# Altium PCB ESP32_board_PCB.PcbDoc (part 1 of 2) (continued)
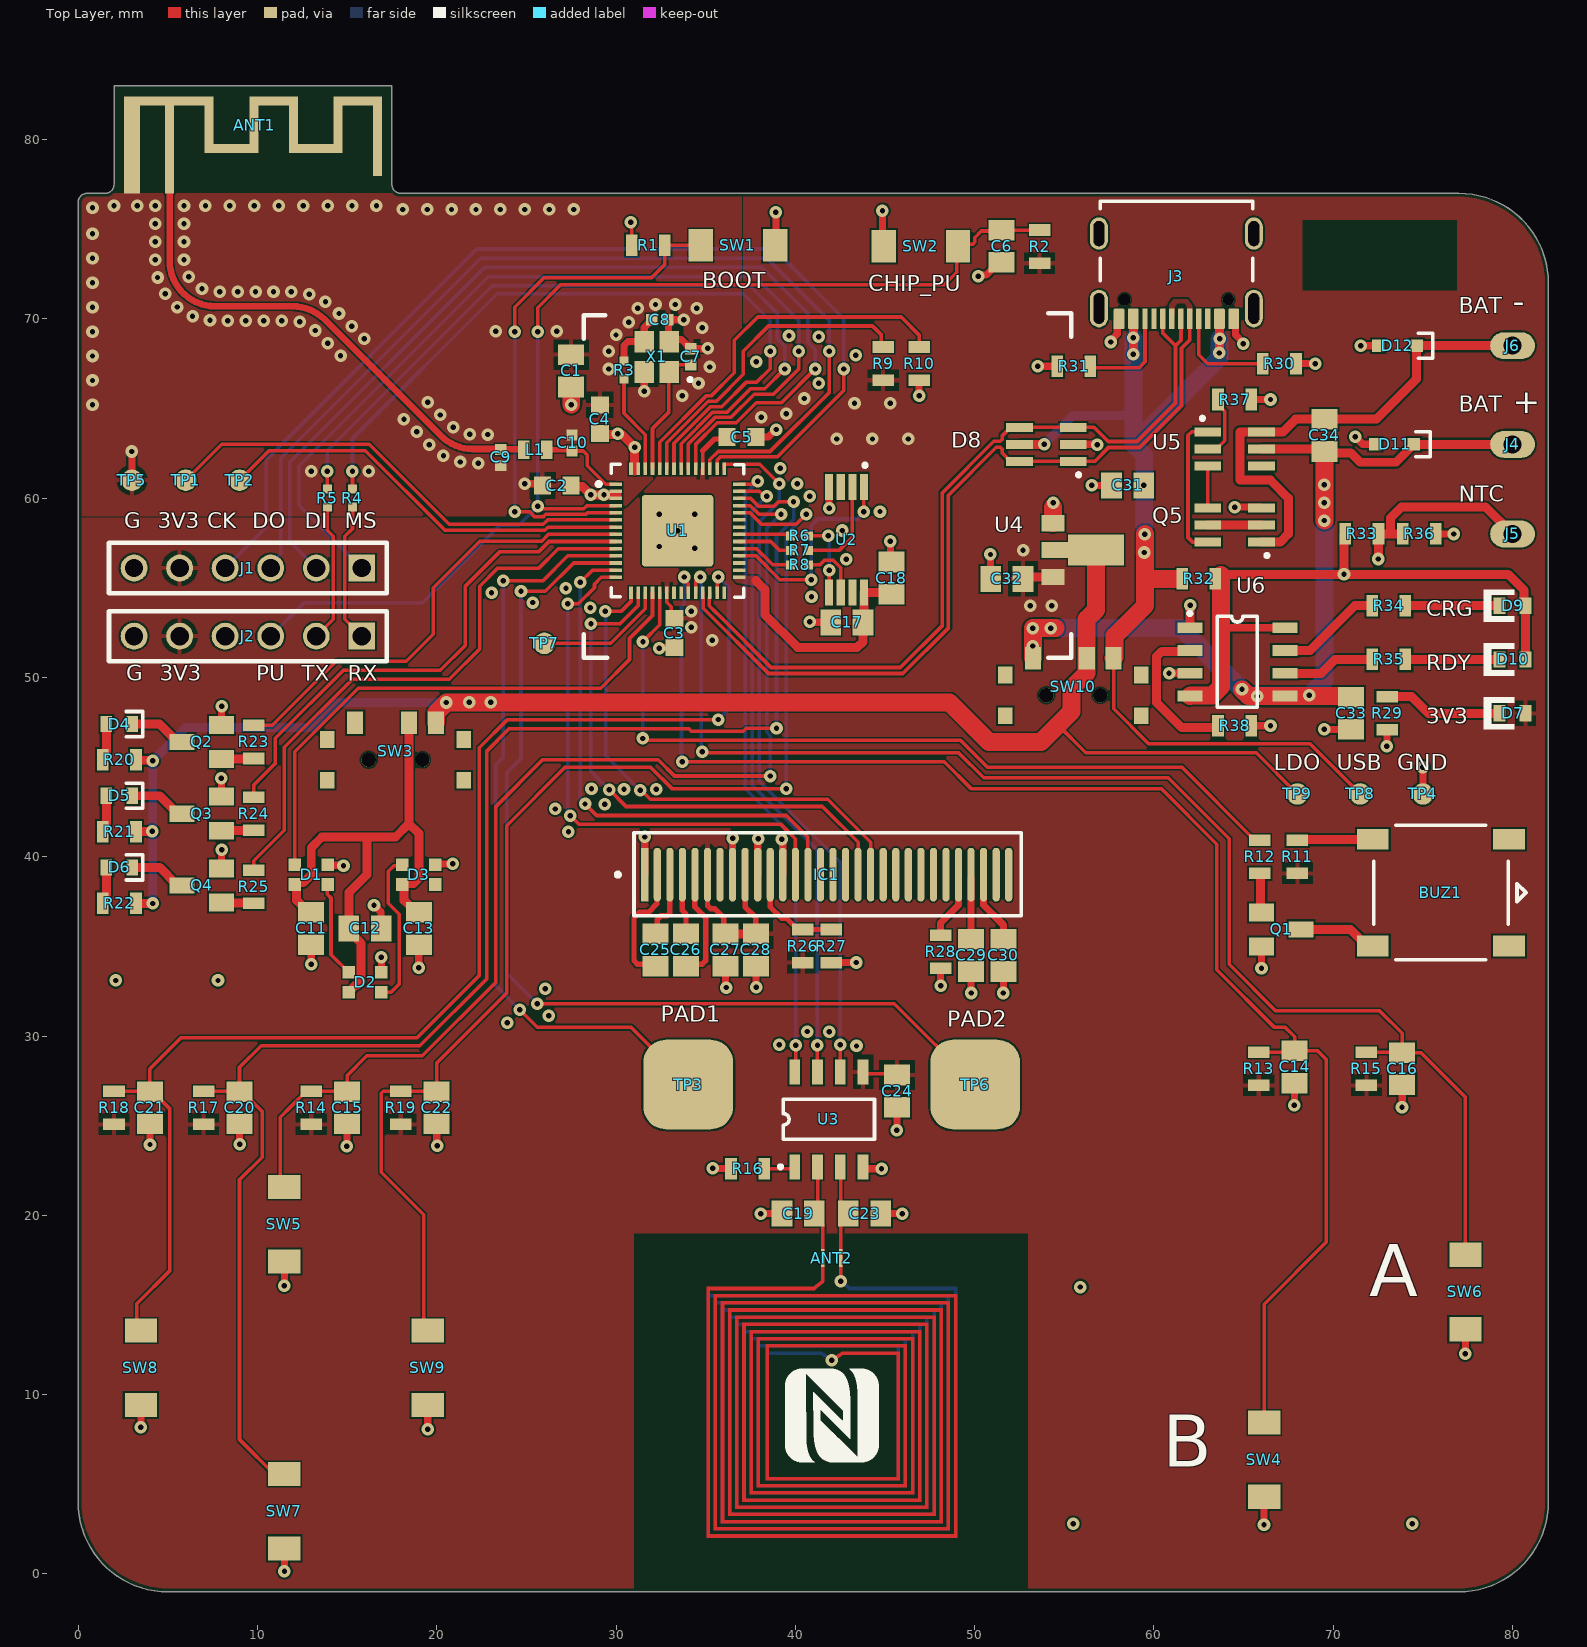
[diagram p0: Top Layer view]
## Design rules (kind name [scope] priority, off if disabled: settings)
BoardOutlineClearance [All] p1: gap=0.2 ignorepadtopadclearanceinfootprint=FALSE
Clearance Clearance_1 [InPolygon vs InDifferentialPairClass('All Differential Pairs')] p1: gap=0.127 ignorepadtopadclearanceinfootprint=FALSE
Clearance [All] p2: gap=0.1 ignorepadtopadclearanceinfootprint=FALSE
ComponentClearance ComponentClearance_1 [InComponent('IC1')] p1: gap=0 collisioncheckmode=3 verticalgap=0 showdistances=FALSE
ComponentClearance [All] p2: gap=0.254 collisioncheckmode=3 verticalgap=0.254 showdistances=FALSE
DiffPairsRouting [InDifferentialPair('USB')] p1: maxlimit=0.127 minlimit=0.127 mostfreqgap=0.127 toplayer_minwidth=0.208 toplayer_maxwidth=0.208 toplayer_prefwidth=0.208 midlayer1_minwidth=0.13 midlayer1_maxwidth=0.13 midlayer1_prefwidth=0.13 midlayer2_minwidth=0.13 midlayer2_maxwidth=0.13 midlayer2_prefwidth=0.13 bottomlayer_minwidth=0.208 bottomlayer_maxwidth=0.208 bottomlayer_prefwidth=0.208 impedanceprofiledriven=TRUE impedanceprofileid={504F0A0C-3538-4502-AA88-B7FB649C1DBE} impedanceprofilevalue=90.000000 maxuncoupledlength=12.7
MinimumSolderMaskSliver [All] p1: minsoldermaskwidth=0.1
PasteMaskExpansion [All] p1: expansion=-2539.975 usepaste=FALSE
PolygonConnect [All] p1: thpad.connectstyle=Relief thpad.reliefconductorwidth=0.254 thpad.reliefentries=4 thpad.polygonreliefangle="90 Angle" thpad.airgapwidth=0.254 smdpad.connectstyle=Relief smdpad.reliefconductorwidth=0.254 smdpad.reliefentries=4 smdpad.polygonreliefangle="90 Angle" smdpad.airgapwidth=0.254 via.connectstyle=Direct via.reliefconductorwidth=0.254 via.reliefentries=4 via.polygonreliefangle="90 Angle" via.airgapwidth=0.254
RoutingVias [All] p1: holewidth=0.3 width=0.7 viastyle="Through Hole" minholewidth=0.3 minwidth=0.7 maxholewidth=1 maxwidth=2
ShortCircuit antenna_sc [InNet('ant_feed')] p1: allowed=TRUE
ShortCircuit [All] p2: allowed=FALSE
SilkToSilkClearance [All] p1: silktosilkclearance=0
SilkToSolderMaskClearance [IsPad] p1: minsilkscreentomaskgap=0.1 clearancetoexposedcopper=TRUE
SolderMaskExpansion [All] p1: expansion=0.05 istentingtop=FALSE
Width "50 ohms" [InNet('ant_feed')] p1: maxlimit=0.369 minlimit=0.271 preferedwidth=0.369 toplayer_minwidth=0.369 midlayer1_maxwidth=0.271 midlayer1_prefwidth=0.271 midlayer2_maxwidth=0.271 midlayer2_prefwidth=0.271 bottomlayer_minwidth=0.369 minimp=50.000000 maximp=50.000000 favimp=50.000000
Width [All] p2: maxlimit=1 minlimit=0.1 preferedwidth=0.2
23 further rules are at their usual default settings.

## Classes and differential pairs
component class "U_USB and power": C31 C32 C33 C34 D7 D8 D9 D10 D11 D12 J3 J4 J5 J6 Q5 R29 R30 R31 R32 R33 R34 R35 R36 R37 R38 SW10 TP8 TP9 U4 U5 U6
component class U_display: C25 C26 C27 C28 C29 C30 IC1 R26 R27 R28
component class MCU: ANT1 ANT2 BUZ1 C1 C2 C3 C4 C5 C6 C7 C8 C9 C10 C11 C12 C13 C14 C15 C16 C17 C18 C19 C20 C21 C22 C23 C24 D1 D2 D3 D4 D5 D6 J1 J2 L1 Q1 Q2 Q3 Q4 R1 R2 R3 R4 R5 R6 R7 R8 R9 R10 R11 R12 R13 R14 R15 R16 R17 R18 R19 R20 R21 R22 R23 R24 R25 SW1 SW2 SW3 SW4 SW5 SW6 SW7 SW8 SW9 TP1 TP2 TP3 TP4 TP5 TP6 TP7 U1 U2 U3 X1
differential pair USB: +USB_P -USB_N

## Components (designator, comment, footprint, x,y, rotation, side; value= is the part's Value field where it differs from the comment)
ANT1 "PCB Antenna 2.4GHz 50Ohm" ANT_IFA_USB_2_4GHZ_50R 3,77 r0 top
ANT2 "ANT_NFC_14mm_5uH" ANT_NFC_14mm_5uH 42.038,9.018 r90 top
BUZ1 "BUZZER" BUZ_MLT-7525 76,38 r0 top
C1 "10uF" CAP_0805_NOM 27.5,67.1 r270 top
C2 "100nF" CAP_0603_NOM 26.7,60.7 r0 top
C3 "100nF" CAP_0603_NOM 33.25,52.475 r90 top
C4 "100nF" CAP_0603_NOM 29.1,64.4 r270 top
C5 "100nF" CAP_0603_NOM 37,63.4 r180 top
C6 "100nF" CAP_0805_NOM 51.5,74.05 r90 top
C7 "10pF_C0G" CAP_0402_NOM 34.169,67.884 r90 top
C8 "10pF_C0G" CAP_0402_NOM 32.444,69.949 r180 top
C9 "3p3_C0G" CAP_0402_NOM 23.567,62.266 r90 top
C10 "3p3_C0G" CAP_0402_NOM 27.552,63.079 r270 top
C11 "100nF" CAP_0805_NOM 13,36 r90 top
C12 "100nF" CAP_0805_NOM 16,36 r180 top
C13 "100nF" CAP_0805_NOM 19,36 r90 top
C14 "100nF" CAP_0805_NOM 67.846,28.276 r270 top
C15 "100nF" CAP_0805_NOM 15,26 r270 top
C16 "100nF" CAP_0805_NOM 73.846,28.176 r270 top
C17 "100nF" CAP_0805_NOM 42.875,53.075 r0 top
C18 "10uF" CAP_0805_NOM 45.362,55.536 r270 top
C19 "NF" CAP_0805_NOM 40.158,20.093 r180 top
C20 "100nF" CAP_0805_NOM 9,26 r270 top
C21 "100nF" CAP_0805_NOM 4,26 r270 top
C22 "100nF" CAP_0805_NOM 20,26 r270 top
C23 "NF" CAP_0805_NOM 43.858,20.093 r180 top
C24 "100nF" CAP_0805_NOM 45.671,26.924 r90 top
C25 "2.2uF" CAP_0805_NOM 32.2,34.8 r270 top
C26 "2.2uF" CAP_0805_NOM 33.9,34.8 r90 top
C27 "100nF" CAP_0805_NOM 36.1,34.8 r90 top
C28 "10uF" CAP_0805_NOM 37.8,34.8 r90 top
C29 "10uF" CAP_0805_NOM 49.8,34.5 r90 top
C30 "10uF" CAP_0805_NOM 51.6,34.5 r90 top
C31 "10uF" CAP_0805_NOM 58.53,60.712 r0 top
C32 "10uF" CAP_0805_NOM 51.8,55.5 r0 top
C33 "10uF" CAP_0805_NOM 71,48 r90 top
C34 "100nF" CAP_0805_NOM 69.5,63.5 r270 top
D1 "WS2812C" LED_RGB_WS2812C-2020 13,39 r180 top
D2 "WS2812C" LED_RGB_WS2812C-2020 16,33 r180 top
D3 "WS2812C" LED_RGB_WS2812C-2020 19,39 r180 top
D4 "LED_RED" LED_0603_RED 2.3,47.4 r0 top
D5 "LED_GREEN" LED_0603_GREEN 2.3,43.4 r0 top
D6 "LED_BLUE" LED_0603_BLUE 2.3,39.4 r0 top
D7 "LED_GREEN" LED_0603_GREEN 80,48 r180 top
D8 "D_ESD_USBC6" SOT23-6 54,63 r180 top
D9 "LED_RED" LED_0603_RED 80,54 r180 top
D10 "LED_GREEN" LED_0603_GREEN 80,51 r180 top
D11 "D_TVS_SD05CL" SOD-323 74.5,63 r180 top
D12 "D_TVS_SD05CL" SOD-323 74.65,68.5 r180 top
IC1 "SSD1306" SSD1306 31.6,39 r90 top
J1 "CON_PIN_HEADER_6P" CON_6P_header 15.82,56.1 r180 top
J2 "CON_PIN_HEADER_6P" CON_6P_header 15.82,52.3 r180 top
J3 "USB-TYPE-C-018" USB4105-GF-A-060 61.25,72.378 r180 top
J4 "BAT_TERM_POS" BAT_TERM 80,63 r90 top
J5 "BAT_NTC" BAT_TERM 80,58 r270 top
J6 "BAT_TERM_NEG" BAT_TERM 80,68.5 r270 top
L1 "2n2" IND_0603 25.505,62.696 r0 top
Q1 "BJT" SOT-23 66,35.95 r270 top
Q2 "BJT" SOT-23 8,46.4 r90 top
Q3 "BJT" SOT-23 8,42.4 r90 top
Q4 "BJT" SOT-23 8,38.4 r90 top
Q5 "FS8205A" SOT23-6 64.5,58.5 r180 top
R1 "10k" RES_0805_nom 31.8,74.1 r180 top
R2 "100k" RES_0805_nom 53.621,74.025 r270 top
R3 "22R" RES_0402_nom 30.444,67.135 r90 top
R4 "470R" RES_0402_nom 15.3,60 r270 top
R5 "470R" RES_0402_nom 13.9,60 r270 top
R6 "0R" RES_0402_nom 40.234,57.896 r0 top
R7 "0R" RES_0402_nom 40.234,57.082 r0 top
R8 "0R" RES_0402_nom 40.234,56.282 r0 top
R9 "10k" RES_0805_nom 44.9,67.5 r270 top
R10 "10k" RES_0805_nom 46.9,67.5 r270 top
R11 "36R" RES_0805_nom 68,40 r270 top
R12 "1k" RES_0805_nom 65.9,40 r270 top
R13 "10k" RES_0805_nom 65.846,28.176 r270 top
R14 "10k" RES_0805_nom 13,26 r270 top
R15 "10k" RES_0805_nom 71.846,28.176 r270 top
R16 "10k" RES_0805_nom 37.34,22.595 r0 top
R17 "10k" RES_0805_nom 7,26 r270 top
R18 "10k" RES_0805_nom 2,26 r270 top
R19 "10k" RES_0805_nom 18,26 r270 top
R20 "560R" RES_0805_nom 2.3,45.4 r0 top
R21 "470R" RES_0805_nom 2.3,41.4 r0 top
R22 "470R" RES_0805_nom 2.3,37.4 r0 top
R23 "10k" RES_0805_nom 9.8,46.4 r90 top
R24 "10k" RES_0805_nom 9.8,42.4 r90 top
R25 "10k" RES_0805_nom 9.8,38.325 r90 top
R26 "NF" RES_0805_nom 40.414,35.014 r270 top
R27 "10k" RES_0805_nom 42.014,35.014 r270 top
R28 "390k" RES_0805_nom 48.1,34.7 r90 top
R29 "220R" RES_0805_nom 73,48 r90 top
R30 "5.1k 5%" RES_0805_nom 67,67.5 r0 top
R31 "5.1k 5%" RES_0805_nom 55.527,67.351 r180 top
R32 "0R4" RES_0805_nom 62.5,55.5 r180 top
R33 "NF" RES_0805_nom 71.6,58 r180 top
R34 "1k" RES_0805_nom 73.1,54 r0 top
R35 "1k" RES_0805_nom 73.1,51 r0 top
R36 "NF" RES_0805_nom 74.8,58 r180 top
R37 "1k" RES_0805_nom 64.5,65.5 r180 top
R38 "39k" RES_0805_nom 64.5,47.3 r180 top
SW1 "SW" SW_SPST_TACT 36.8,74.1 r180 top
SW2 "SW" SW_SPST_TACT 47,74.05 r0 top
SW3 "SW_SLIDE_SPDT_MK-12C02-G025" SW_SLIDE_SPDT_MK-12C02-G025 19.2,45.4 r180 top
SW4 "SW" SW_SPST_TACT 66.146,6.376 r90 top
SW5 "SW" SW_SPST_TACT 11.5,19.5 r90 top
SW6 "SW" SW_SPST_TACT 77.371,15.726 r90 top
SW7 "SW" SW_SPST_TACT 11.5,3.5 r90 top
SW8 "SW" SW_SPST_TACT 3.5,11.5 r90 top
SW9 "SW" SW_SPST_TACT 19.5,11.5 r90 top
SW10 "SW_SLIDE_SPDT_MK-12C02-G025" SW_SLIDE_SPDT_MK-12C02-G025 57,49 r180 top
TP1 "TESTPOINT" testpoint 6,61 r90 top
TP2 "TESTPOINT" testpoint 9,61 r90 top
TP3 "PAD_5mm" PAD_5x5mm#1 34.029,27.294 r0 top net-tie
TP4 "TESTPOINT" testpoint 75,43.5 r90 top
TP5 "TESTPOINT" testpoint 3,61 r90 top
TP6 "PAD_5mm" PAD_5x5mm#2 50.029,27.294 r0 top net-tie
TP7 "TESTPOINT" testpoint 26,51.9 r90 top
TP8 "TESTPOINT" testpoint 71.5,43.5 r0 top
TP9 "TESTPOINT" testpoint 68,43.5 r90 top
U1 "ESP32-S3" STM32_S3 33.434,58.182 r0 top
U2 "4Mbit NOR Flash" TSSOP-8 43.834,60.632 r270 top
U3 "M24SR64-Y" SOP8 39.969,22.702 r90 top
U4 "LDO_3V3" SOT-89 55.2,57.1 r270 top
U5 "FM2113" SOT23-6 64.5,62.75 r0 top
U6 "TP4056" SOP8 62,52.77 r0 top
X1 "40MHz" SMD2520-4P 32.269,67.884 r90 top

## Footprints (in the part's own frame and the unit in brackets; to place one, negate y for a bottom-side part, rotate by r counter-clockwise, add the part's x,y. Pads: shape width x height; smd on the part's side, far side on the other; paste and mask are expansions set on the pad)
ANT_IFA_USB_2_4GHZ_50R [mm]
  rect 5x0.5 smd paste-2539.97 mask+0.102: 1(2.05,5.15)
  rect 0.5x4.9 smd paste-2539.97 mask+0.102: 1(2.1,2.45)
  rect 0.5x2.64 smd paste-2539.97 mask+0.102: 1(4.3,3.58) 1(6.8,3.58) 1(9,3.58) 1(11.5,3.58)
  rect 2x0.5 smd paste-2539.97 mask+0.102: 1(5.55,2.51) 1(10.25,2.51)
  rect 2.7x0.5 smd paste-2539.97 mask+0.102: 1(7.9,5.15) 1(12.6,5.15)
  rect 0.5x3.94 smd paste-2539.97 mask+0.102: 1(13.7,2.93)
  rect 0.9x4.9 smd paste-2539.97 mask+0.102: 2(0,2.45)
ANT_NFC_14mm_5uH [mm] "14x14mm NFC antenna / 18 turns - 2 layers / 0.2mm tracks 0.2mm spacing / ~5uH total inductance"
  rect 1x0.2 smd mask+0.102: 1(8.6,0.5) 2(8.6,-0.5)
  Top Layer region: 6.8,1 7,1 7,7 6.8,7
  Top Layer region: -7,6.8 6.8,6.8 6.8,7 -7,7
  Top Layer region: -7,-7 -6.8,-7 -6.8,6.8 -7,6.8
  Top Layer region: -6.8,-7 6.6,-7 6.6,-6.8 -6.8,-6.8
  Top Layer region: 6.4,-6.8 6.6,-6.8 6.6,6.6 6.4,6.6
  Top Layer region: -6.6,6.4 6.4,6.4 6.4,6.6 -6.6,6.6
  Top Layer region: -6.6,-6.6 -6.4,-6.6 -6.4,6.4 -6.6,6.4
  Top Layer region: -6.4,-6.6 6.2,-6.6 6.2,-6.4 -6.4,-6.4
  Top Layer region: 6,-6.4 6.2,-6.4 6.2,6.2 6,6.2
  Top Layer region: -6.2,6 6,6 6,6.2 -6.2,6.2
  Top Layer region: -6.2,-6.2 -6,-6.2 -6,6 -6.2,6
  Top Layer region: -6,-6.2 5.8,-6.2 5.8,-6 -6,-6
  Top Layer region: 5.6,-6 5.8,-6 5.8,5.8 5.6,5.8
  Top Layer region: -5.8,5.6 5.6,5.6 5.6,5.8 -5.8,5.8
  Top Layer region: -5.8,-5.8 -5.6,-5.8 -5.6,5.6 -5.8,5.6
  Top Layer region: -5.6,-5.8 5.4,-5.8 5.4,-5.6 -5.6,-5.6
  Top Layer region: 5.2,-5.6 5.4,-5.6 5.4,5.4 5.2,5.4
  Top Layer region: -5.4,5.2 5.2,5.2 5.2,5.4 -5.4,5.4
  Top Layer region: -5.4,-5.4 -5.2,-5.4 -5.2,5.2 -5.4,5.2
  Top Layer region: -5.2,-5.4 5,-5.4 5,-5.2 -5.2,-5.2
  Top Layer region: 4.8,-5.2 5,-5.2 5,5 4.8,5
  Top Layer region: -5,4.8 4.8,4.8 4.8,5 -5,5
  Top Layer region: -5,-5 -4.8,-5 -4.8,4.8 -5,4.8
  Top Layer region: -4.8,-5 4.6,-5 4.6,-4.8 -4.8,-4.8
  Top Layer region: 4.4,-4.8 4.6,-4.8 4.6,4.6 4.4,4.6
  Top Layer region: -4.6,4.4 4.4,4.4 4.4,4.6 -4.6,4.6
  Top Layer region: -4.6,-4.6 -4.4,-4.6 -4.4,4.4 -4.6,4.4
  Top Layer region: -4.4,-4.6 4.2,-4.6 4.2,-4.4 -4.4,-4.4
  Top Layer region: 4,-4.4 4.2,-4.4 4.2,4.2 4,4.2
  Top Layer region: -4.2,4 4,4 4,4.2 -4.2,4.2
  Top Layer region: -4.2,-4.2 -4,-4.2 -4,4 -4.2,4
  Top Layer region: -4,-4.2 3.8,-4.2 3.8,-4 -4,-4
  Top Layer region: 3.6,-4 3.8,-4 3.8,3.7 3.6,3.7
  Top Layer region: -3.8,3.5 3.6,3.5 3.6,3.7 -3.8,3.7
  Top Layer region: -3.8,-3.8 -3.6,-3.8 -3.6,3.5 -3.8,3.5
  Top Layer region: -3.6,-3.8 3.4,-3.8 3.4,-3.6 -3.6,-3.6
  Top Layer region: 3.2,-3.6 3.4,-3.6 3.4,-0.9 3.2,-0.9
  Top Layer lines w0.2: 6.9,1 7.3,0.5 8.1,0.5 ; 2.9,0 3.3,-0.6 3.3,-1.1 ; 7.3,-0.5 8.6,-0.5
  Bottom Layer region: 3.2,1 3.4,1 3.4,3.7 3.2,3.7
  Bottom Layer region: -3.8,3.5 3.2,3.5 3.2,3.7 -3.8,3.7
  Bottom Layer region: -3.8,-3.8 -3.6,-3.8 -3.6,3.5 -3.8,3.5
  Bottom Layer region: -3.6,-3.8 3.8,-3.8 3.8,-3.6 -3.6,-3.6
  Bottom Layer region: 3.6,-3.6 3.8,-3.6 3.8,4.2 3.6,4.2
  Bottom Layer region: -4.2,4 3.6,4 3.6,4.2 -4.2,4.2
  Bottom Layer region: -4.2,-4.2 -4,-4.2 -4,4 -4.2,4
  Bottom Layer region: -4,-4.2 4.2,-4.2 4.2,-4 -4,-4
  Bottom Layer region: 4,-4 4.2,-4 4.2,4.6 4,4.6
  Bottom Layer region: -4.6,4.4 4,4.4 4,4.6 -4.6,4.6
  Bottom Layer region: -4.6,-4.6 -4.4,-4.6 -4.4,4.4 -4.6,4.4
  Bottom Layer region: -4.4,-4.6 4.6,-4.6 4.6,-4.4 -4.4,-4.4
  Bottom Layer region: 4.4,-4.4 4.6,-4.4 4.6,5 4.4,5
  Bottom Layer region: -5,4.8 4.4,4.8 4.4,5 -5,5
  Bottom Layer region: -5,-5 -4.8,-5 -4.8,4.8 -5,4.8
  Bottom Layer region: -4.8,-5 5,-5 5,-4.8 -4.8,-4.8
  Bottom Layer region: 4.8,-4.8 5,-4.8 5,5.4 4.8,5.4
  Bottom Layer region: -5.4,5.2 4.8,5.2 4.8,5.4 -5.4,5.4
  Bottom Layer region: -5.4,-5.4 -5.2,-5.4 -5.2,5.2 -5.4,5.2
  Bottom Layer region: -5.2,-5.4 5.4,-5.4 5.4,-5.2 -5.2,-5.2
  Bottom Layer region: 5.2,-5.2 5.4,-5.2 5.4,5.8 5.2,5.8
  Bottom Layer region: -5.8,5.6 5.2,5.6 5.2,5.8 -5.8,5.8
  Bottom Layer region: -5.8,-5.8 -5.6,-5.8 -5.6,5.6 -5.8,5.6
  Bottom Layer region: -5.6,-5.8 5.8,-5.8 5.8,-5.6 -5.6,-5.6
  Bottom Layer region: 5.6,-5.6 5.8,-5.6 5.8,6.2 5.6,6.2
  Bottom Layer region: -6.2,6 5.6,6 5.6,6.2 -6.2,6.2
  Bottom Layer region: -6.2,-6.2 -6,-6.2 -6,6 -6.2,6
  Bottom Layer region: -6,-6.2 6.2,-6.2 6.2,-6 -6,-6
  Bottom Layer region: 6,-6 6.2,-6 6.2,6.6 6,6.6
  Bottom Layer region: -6.6,6.4 6,6.4 6,6.6 -6.6,6.6
  Bottom Layer region: -6.6,-6.6 -6.4,-6.6 -6.4,6.4 -6.6,6.4
  Bottom Layer region: -6.4,-6.6 6.6,-6.6 6.6,-6.4 -6.4,-6.4
  Bottom Layer region: 6.4,-6.4 6.6,-6.4 6.6,7 6.4,7
  Bottom Layer region: -7,6.8 6.4,6.8 6.4,7 -7,7
  Bottom Layer region: -7,-7 -6.8,-7 -6.8,6.8 -7,6.8
  Bottom Layer region: -6.8,-7 7,-7 7,-6.8 -6.8,-6.8
  Bottom Layer region: 6.8,-6.8 7,-6.8 7,-1 6.8,-1
  Bottom Layer lines w0.2: 3.3,1 3.3,0.6 2.9,0 ; 7.3,-0.5 6.9,-1
  silkscreen extent -2.79,-2.61 2.43,2.61
BAT_TERM [mm] "Battery solder terminal"
  oval 1.5x2.5 hole 1: 1(0,0)
BUZ_MLT-7525 [mm] "MLT-7525 buzzer"
  rect 1.78x1.15 smd: 1(-3.795,2.98) 2(-3.795,-2.98) 3(3.795,-2.98) 4(3.798,2.98)
  silkscreen extent -3.75,-3.75 4.75,3.75, body extent -3.75,-3.75 3.75,3.75, height 2.5
CAP_0402_NOM [mm]
  rect 0.62x0.62 smd mask+0.07: 1(-0.45,0) 2(0.45,0)
  body extent -0.5,-0.25 0.5,0.25, height 0.5
CAP_0603_NOM [mm]
  rect 0.95x1 smd: 1(-0.8,0) 2(0.8,0)
  body extent -0.8,-0.41 0.8,0.4, height 0.8
CAP_0805_NOM [mm]
  rect 1.15x1.45 smd: 1(-0.9,0) 2(0.9,0)
  body extent -1,-0.63 1,0.62, height 1.22
CON_6P_header [mm] "CON_6P_header male / 2.54mm pitch"
  rect 1.5x1.5 hole 1.02: 1(0,0)
  round 1.5 hole 1.02: 2(2.54,0) 3(5.08,0) 4(7.62,0) 5(10.16,0) 6(12.7,0)
  silkscreen extent -1.4,-1.4 14.1,1.4, body extent -1.27,-1.27 13.97,1.27, height 9.5
IND_0603 [mm]
  rect 0.64x1.02 smd: 1(-0.64,0) 2(0.64,0)
  body extent -0.87,-0.5 0.87,0.5, height 1.01
LED_0603_BLUE [mm] "LED_0603_BLUE"
  rect 0.65x0.9 smd: A(-0.725,0) K(0.725,0)
  silkscreen extent 0.38,-0.7 1.3,0.7, body extent -0.81,-0.5 0.81,0.5, height 0.98
LED_0603_GREEN [mm] "LED_0603_GREEN"
  rect 0.65x0.9 smd: A(-0.725,0) K(0.725,0)
  silkscreen extent 0.38,-0.7 1.3,0.7, body extent -0.81,-0.5 0.81,0.5, height 0.98
LED_0603_RED [mm] "LED_0603_RED"
  rect 0.65x0.9 smd: A(-0.725,0) K(0.725,0)
  silkscreen extent 0.38,-0.7 1.3,0.7, body extent -0.81,-0.5 0.81,0.5, height 0.98
LED_RGB_WS2812C-2020 [mm]
  rect 0.7x0.7 smd mask+0.05: 1(-0.915,0.55) 2(-0.915,-0.55) 3(0.915,-0.55) 4(0.915,0.55)
  body extent -1.1,-1 1.1,1, height 0.84
PAD_5x5mm#1 [mm]
  rrect50% 5x5 smd: 1(0,0)
PAD_5x5mm#2 [mm]
  rrect50% 5x5 smd paste-2539.97 mask+0.05: 1(0,0)
RES_0402_nom [mm]
  rect 0.5x0.5 smd: 1(-0.5,0) 2(0.5,0)
  body extent -0.51,-0.25 0.51,0.25, height 0.36
RES_0805_nom [mm]
  rect 0.65x1.2 smd: 1(-0.925,0) 2(0.925,0)
  body extent -1,-0.63 1,0.63, height 0.51
SMD2520-4P [mm]
  rect 1.2x1.1 smd: 1(-0.85,-0.7) 2(0.85,-0.7) 3(0.85,0.7) 4(-0.85,0.7)
  body extent -1.27,-1.02 1.28,1.03, height 0.55
SOD-323 [mm]
  rect 0.7x0.7 smd: 1(0,0) 2(2.15,0)
  silkscreen extent -0.9,-0.7 -0.1,0.7, body extent -0.35,-0.75 2.5,0.75, height 1.16
SOP8 [mm]
  rect 1.4x0.6 smd: 1(0,0) 2(0,-1.27) 3(0,-2.54) 4(0,-3.81) 5(5.3,-3.81) 6(5.3,-2.54) 7(5.3,-1.27) 8(5.3,0)
  silkscreen extent -0.1,-4.44 3.77,0.9, body extent -0.32,-4.41 5.66,0.49, height 1.55
SOT23-6 [mm]
  rect 1.5x0.5 smd: 1(-1.5,0.95) 2(-1.5,0) 3(-1.5,-0.95) 4(1.5,-0.95) 5(1.5,0) 6(1.5,0.95)
  silkscreen extent -1.9,1.6 -1.7,1.8, body extent -1.42,-1.5 1.42,1.5, height 1.2
SOT-23 [mm]
  rect 1x1.4 smd: 1(-0.95,0) 2(0.95,0)
  rect 0.9x1.4 smd: 3(0,2.2)
  body extent -1.5,-0.32 1.5,2.52, height 1.2
SOT-89 [mm]
  rect 0.9x1.3 smd mask+0.05: 1(-1.5,-0.825) 2(1.5,-0.825)
  rect 1.733x3.125 smd mask+0.05: 3(0,1.562)
  rect 0.9x1.475 smd mask+0.05: 3(0,-0.733)
  body extent -2.3,-1.28 2.3,2.97, height 1.35
SSD1306 [mm]
  rect 3x0.4 smd: 1(0,0)
  oval 3x0.4 smd: 2(0,-0.7) 3(0,-1.4) 4(0,-2.1) 5(0,-2.8) 6(0,-3.5) 7(0,-4.2) 8(0,-4.9) 9(0,-5.6) 10(0,-6.3) 11(0,-7) 12(0,-7.7) 13(0,-8.4) 14(0,-9.1) 15(0,-9.8) 16(0,-10.5) 17(0,-11.2) 18(0,-11.9) 19(0,-12.6) 20(0,-13.3) 21(0,-14) 22(0,-14.7) 23(0,-15.4) 24(0,-16.1) 25(0,-16.8) 26(0,-17.5) 27(0,-18.2) 28(0,-18.9) 29(0,-19.6) 30(0,-20.3)
  silkscreen extent -2.3,-21 2.33,1.6
STM32_S3 [mm]
  rect 0.7x0.2 smd mask+0.05: 1(-3.45,2.6) 2(-3.45,2.2) 3(-3.45,1.8) 4(-3.45,1.4) 5(-3.45,1) 6(-3.45,0.6) 7(-3.45,0.2) 8(-3.45,-0.2) 9(-3.45,-0.6) 10(-3.45,-1) 11(-3.45,-1.4) 12(-3.45,-1.8) 13(-3.45,-2.2) 14(-3.45,-2.6) 29(3.45,-2.6) 30(3.45,-2.2) 31(3.45,-1.8) 32(3.45,-1.4) 33(3.45,-1) 34(3.45,-0.6) 35(3.45,-0.2) 36(3.45,0.2) 37(3.45,0.6) 38(3.45,1) 39(3.45,1.4) 40(3.45,1.8) 41(3.45,2.2) 42(3.45,2.6)
  rect 0.2x0.7 smd mask+0.05: 15(-2.6,-3.45) 16(-2.2,-3.45) 17(-1.8,-3.45) 18(-1.4,-3.45) 19(-1,-3.45) 20(-0.6,-3.45) 21(-0.2,-3.45) 22(0.2,-3.45) 23(0.6,-3.45) 24(1,-3.45) 25(1.4,-3.45) 26(1.8,-3.45) 27(2.2,-3.45) 28(2.6,-3.45) 43(2.6,3.45) 44(2.2,3.45) 45(1.8,3.45) 46(1.4,3.45) 47(1,3.45) 48(0.6,3.45) 49(0.2,3.45) 50(-0.2,3.45) 51(-0.6,3.45) 52(-1,3.45) 53(-1.4,3.45) 54(-1.8,3.45) 55(-2.2,3.45) 56(-2.6,3.45)
  rrect10% 4x4 smd: 57(0,0)
  silkscreen extent -4.5,-3.71 3.7,3.7, body extent -3.5,-3.5 3.5,3.5, height 0.87
SW_SLIDE_SPDT_MK-12C02-G025 [mm]
  rect 0.9x1.25 smd: 1(3.75,-2.075) 2(0.75,-2.075) 3(-0.75,-2.075)
  rect 0.8x0.93 smd: ""(-2.3,-1.135) ""(-2.3,1.135) ""(5.3,-1.135) ""(5.3,1.135)
  round 0.8 hole 0.8 unplated: ""(0,0) ""(3,0)
  body extent -1.8,-1.35 4.8,2.85, height 1.4
SW_SPST_TACT [mm]
  rect 1.35x1.8 smd: 1(-2.075,0) 2(2.075,0)
  body extent -2.4,-1.45 2.4,1.45, height 2
testpoint [mm] "Reference point"
  round 1.2 smd paste-0.6: 1(0,0)
  body extent -0.6,-0.59 0.6,0.61, height 0.03
TSSOP-8 [mm]
  rect 1.45x0.45 smd mask+0.05: 1(0,0) 2(0,-0.65) 3(0,-1.3) 4(0,-1.95) 5(5.9,-1.95) 6(5.9,-1.3) 7(5.9,-0.65) 8(5.9,0)
  silkscreen extent -1.28,-0.03 -1.12,0.13, body extent -0.24,-2.48 6.16,0.52, height 1.11
USB4105-GF-A-060 [mm]
  rrect25% 0.6x1.15 smd mask+0.05: A1B12(-3.2,2.378) A4B9(-2.4,2.378) B1A12(3.2,2.378) B4A9(2.4,2.378)
  rrect25% 0.3x1.15 smd mask+0.05: A5(-1.25,2.378) A6(-0.25,2.378) A7(0.25,2.378) A8(1.25,2.378) B5(1.75,2.378) B6(0.75,2.378) B7(-0.75,2.378) B8(-1.75,2.378)
  round 0.65 hole 0.65 unplated mask+0: MH(-2.89,1.303) MH(2.89,1.303)
  oval 1x1.8 hole 0.6 slot 1.4 at 90 deg: SH(-4.32,-2.377) SH(4.32,-2.377)
  oval 1x2.1 hole 0.6 slot 1.7 at 90 deg: SH(-4.32,1.803) SH(4.32,1.803)
  silkscreen extent -4.25,-4.18 4.25,0.25, body extent -4.47,-4.97 4.47,2.73, height 3.27

## Part data
ANT1: library part ANT_IFA_USB_2_4GHZ_50R, "Inverted F 2.4GHz ISM PCB Antenna 50 Ohm", ComponentLink1Description=Datasheet, ComponentLink1URL=https://www.ti.com/lit/an/swra117d/swra117d.pdf
ANT2: "14x14mm NFC antenna / 18 turns - 2 layers / 0.2mm tracks 0.2mm spacing / ~5uH total inductance"
BUZ1: library part BUZ_MLT-7525, "Externally Driven 80dB@5V,10cm Magnetic 3.6V 2700Hz SMD,7.5x7.5mm Buzzers ROHS", JLCPCB Part Number=C95299, Manufacturer="Jiangsu Huaneng Elec", Manufacturer Part Number=MLT-7525
C1 C6 C11 C12 C13 C14 C15 C16 C17 C18 C19 C20 C21 C22 C23 C24 C25 C26 C27 C28 C29 C30 C31 C32 C33 C34: library part CAP_0805_10V
C2 C3 C4 C5: library part CAP_0603_10V
C7 C8 C9 C10: library part CAP_0402_10V
D1 D2 D3: library part LED_RGB_WS2812C-2020, "RGB SMD,2x2mm Light Emitting Diodes (LED) ROHS", JLCPCB Part Number=C2976072, Manufacturer=Worldsemi, Manufacturer Part Number=WS2812C-2020-V1
D4 D9: library part LED_0603_RED, "Red 0603 Light Emitting Diodes (LED) ROHS", JLCPCB Part Number=C2286, Manufacturer="Hubei KENTO Elec", Manufacturer Part Number=KT-0603R
D5 D7 D10: library part LED_0603_GREEN, "Green 0603 Light Emitting Diodes (LED) ROHS", JLCPCB Part Number=C12624, Manufacturer="Hubei KENTO Elec", Manufacturer Part Number=KT-0603G
D6: library part LED_0603_BLUE, "Blue 0603 Light Emitting Diodes (LED) ROHS", JLCPCB Part Number=C2288, Manufacturer="Hubei KENTO Elec", Manufacturer Part Number=KT-0603B
D8: "USBLC6-2SC6 ESD diode USB", JLCPCB Part Number=C2827654, Manufacturer="TECH PUBLIC", Manufacturer Part Number=USBLC6-2SC6
D11 D12: "SD05CL 5V TVS diode bi-directional", JLCPCB Part Number=C2983254, Manufacturer=DOWO, Manufacturer Part Number=SD05CL
IC1: "UG-2864HSWEG01", ComponentLink1Description=Datasheet, ComponentLink1URL=.\datasheets\UG-2864HSWEG01.pdf, ComponentLink2Description="SSD1306 datasheet", ComponentLink2URL=.\datasheets\SSD1306.pdf
J1 J2: "6-pin header 2.54mm pitch male", JLCPCB Part Numer=C492405, Manufacturer=XFCN, Manufacturer Part Number=PZ254V-11-06P
J3: JLCPCB Part Number=C2927038, Manufacturer=DEALON, Distributor Link=https://eu.mouser.com/ProductDetail/GCT/USB4105-GF-A-060?qs=QNEnbhJQKvY2mocwNJzgfA%3D%3D, Manufacturer Part Number=USB-TYPE-C-018
J4 J5 J6: library part BAT_TERM, "1.2mm Test point"
L1: library part IND_0603_FEC0603CP, "700mA 2.2nH ±2% 5mΩ 0603 Inductors (SMD) ROHS", JLCPCB Part Number=C346308, Manufacturer="PSA(Prosperity Dielectrics)", Manufacturer Part Number=FEC0603CP-2N2G-LRH
Q1 Q2 Q3 Q4: library part BJT_PMBT3904, "40V 250mW 100@10mA,1V 200mA NPN SOT-23(TO-236) Bipolar Transistors - BJT ROHS", JLCPCB Part Number=C8667, Manufacturer=Nexperia, Manufacturer Part Number=PMBT3904,215
Q5: "FS8205 dual N-channel MOSFET common drain", JLCPCB Part Number=C2830320, Manufacturer="TECH PUBLIC", Manufacturer Part Number=FS8205A
R1 R2 R9 R10 R11 R12 R13 R14 R15 R16 R17 R18 R19 R20 R21 R22 R23 R24 R25 R26 R27 R28 R29 R30 R31 R32 R33 R34 R35 R36 R37 R38: library part RES_0805
R3 R4 R5 R6 R7 R8: library part RES_0402
SW1 SW2 SW4 SW5 SW6 SW7 SW8 SW9: library part SW_SPST_TACT, "NO 50mA 100MΩ 100000 Times 12V 160gf@±50gf Brick nogging SPST SMD Tactile Switches ROHS", JLCPCB Part Number=C720477, Manufacturer=XUNPU, Manufacturer Part Number=TS-1088-AR02016
SW3 SW10: JLCPCB Part Number=C778186, Manufacturer=G-Switch, Manufacturer Part Number=MK-12C02-G025
TP1 TP2 TP4 TP5 TP7 TP8 TP9: "1.2mm Test point"
TP3 TP6: "5mm touch pad"
U1: "ESP32-S3 QFN-56-EP(7x7) RF Transceiver ICs ROHS", JLCPCB Part Number=C2913192, Manufacturer="Espressif Systems", Manufacturer Part Number=ESP32-S3
U2: library part "FT25LX04T 4Mbit NOR Flash", "4Mbit SPI 50MHz TSSOP-8 NOR FLASH ROHS", JLCPCB Part Number=C558853, Manufacturer=XTX, Manufacturer Part Number=FT25LX04T-RT
U3: "M24SR64-Y NFC IC", JLCPCB Part Number=C222221, Manufacturer=STMicroelectronics, Manufacturer Part Number=M24SR64-YMN6T/2
U4: "500mA null 3.3V positive 7V SOT-89 Linear Voltage Regulators (LDO) ROHS", JLCPCB Part Number=C5451666, Manufacturer="HXY MOSFET", Manufacturer Part Number=XC6206P332PR
U5: "Battery cell protection IC", JLCPCB Part Number=C2832124, Manufacturer="Shenzhen Fuman Elec", Manufacturer Part Number=FM2113
U6: "ESOP-8 Battery Management ICs ROHS", JLCPCB Part Number=C725790, Manufacturer="UMW(Youtai Semiconductor Co., Ltd.)", Manufacturer Part Number=TP4056
X1: library part XTAL_40Mhz_10ppm_9pF, "40MHz 9pF ±10ppm SMD2520-4P Crystals ROHS", JLCPCB Part Number=C557159, Manufacturer="SJK(SHENZHEN CRYSTAL TECH)", Manufacturer Part Number=7E40000E09UCG

## Free pads (board coordinates)
  rrect50% 5x5 on Top Overlay: 2(50.022,27.296)

## Via types
v1: diameter 0.7, hole 0.3, Top Layer to Bottom Layer, tented both sides, 262 vias
v2: diameter 0.7, hole 0.3, Top Layer to Bottom Layer, 29 vias

## Nets (pads, with @x,y where several pads share a name; then routed paths per layer and width w, separated by ;. In a path a pad name is that pad's centre, name@x,y a point inside that pad or via, vN(x,y) a via of type N, cw(c..) or ccw(c..) an arc to the next point about the centre after c; other vN are vias at no path point)
3V3: C1.2 C2.2 C3.2 C4.2 C5.2 C24.2 C27.2 C28.2 C32.2 D7.A IC1.6 IC1.9 J1.5 J2.5 R1.2 R2.2 R9.2 R11.2 R13.2 R14.2 R15.2 R17.2 R18.2 R19.2 R26.2 U1.2 U1.3 U1.20 U1.46 U1.55 U1.56 U3.5 U4.2 | length 25.6
  Top Layer w0.2: v1(30.826,75.376) 30.879,75.324 30.879,75.284 30.875,75.281 R1.2@30.875,74.1 ; U1.20@32.834,54.732 32.834,54.191 33.075,53.95 33.075,53.45 C3.2@33.25,53.275 ; U1.46@34.834,61.632 34.834,62.634 ; U3.5@43.799,27.894 45.559,27.894 C24.2@45.583,27.918 ; C32.2@52.7,55.5 C32.2@52.8,55.6
  Top Layer w0.3: 34.834,62.634 35.5,63.3 36.1,63.3 C5.2@36.2,63.4 ; IC1.6@35.1,39 35.1,37.276 35.276,37.1 35.5,37.1 36,36.6 36,35.8 C27.2@36.1,35.7 ; IC1.9@37.2,39 37.2,37.2 37.8,36.6 C28.2@37.8,35.7 37.841,35.7 C28.2@37.842,35.699
  Top Layer w0.5: C2.2@27.5,60.7 27.56,60.64 28.139,60.64 v1(28.593,60.185) 30.059,60.185 ; C4.2@29.1,63.6 29.148,63.552 30.324,63.552 v1(31.041,62.835) 31.041,61.515 ; C27.2@36.1,35.7 C28.2@37.8,35.7 ; C32.2@52.8,55.6 U4.2@54.375,55.6 ; D7.A@80.708,47.939 D7.A@80.71,47.941
  Top Layer w1: v1(27.5,65.215) C1.2@27.5,66.2
  other v1: 35.371,52.083 34.2,52.8 34.2,53.7 53.1,54 54.3,54 52.7,57.1 29.326,60.185 42.3,63.3 44.3,63.3 46.3,63.3 30.1,63.6 38.1,64.5 39.5,64.7 43.3,65.3 45.3,65.3 40.486,65.557
ant_feed: ANT1.1 C9.2 L1.1 | length 30.5
  Top Layer w0.369: ANT1.1@5.1,79.45 5.1,73.239 ccw(c7.64,73.239) 7.64,70.699 11.956,70.699 cw(c11.956,68.159) 13.752,69.955 20.222,63.485 ccw(c22.018,65.281) 22.018,62.741 23.607,62.741 23.63,62.719 24.842,62.719 L1.1@24.865,62.696
BOOTMODE: R1.1 SW1.2 U1.5 | length 29.7
  Top Layer w0.2: v1(24.344,59.244) 25.178,59.244 25.472,58.95 25.928,58.95 26.078,59.1 28.324,59.1 28.407,59.182 U1.5@29.984,59.182 ; v1(24.35,69.275) 24.35,70.65 26,72.3 32,72.3 32.725,73.025 R1.1@32.725,74.1 SW1.2@34.725,74.1
  Bottom Layer w0.2: v1(24.344,59.244) 24.35,59.25 v1(24.35,69.275)
BUZ: R12.1 U1.19 | length 45.3
  Top Layer w0.2: v1(31.496,46.596) 31.5,46.592 31.5,46.5 49.207,46.5 50.707,45 61.55,45 65.625,40.925 R12.1@65.9,40.925 ; v1(31.5,52) 32.434,52.934 U1.19@32.434,54.732
  Bottom Layer w0.2: v1(31.496,46.596) 31.498,46.598 31.498,51.998 v1(31.5,52)
CHIP_PU: C6.2 J2.3 R2.1 SW2.2 U1.4 | length 64.2
  Top Layer w0.2: v1(25.625,69.275) 25.625,70.625 26.9,71.9 48.3,71.9 49,72.6 49,73.975 SW2.2@49.075,74.05 49.175,74.15 49.883,74.15 50,74.267 50,74.525 50.375,74.9 51.45,74.9 C6.2@51.5,74.95 R2.1@53.621,74.95 ; v1(25.644,59.556) 25.796,59.404 25.996,59.404 26,59.4 28.2,59.4 28.382,59.582 U1.4@29.984,59.582
  Bottom Layer w0.2: J2.3@10.74,52.3 12.595,54.155 19.195,54.155 23.532,58.492 24.58,58.492 v1(25.644,59.556) 25.625,59.575 v1(25.625,69.275)